# Altium PCB DL-5新款球锁 - 拼板-20201231.PcbDoc (part 6 of 9) (continued)
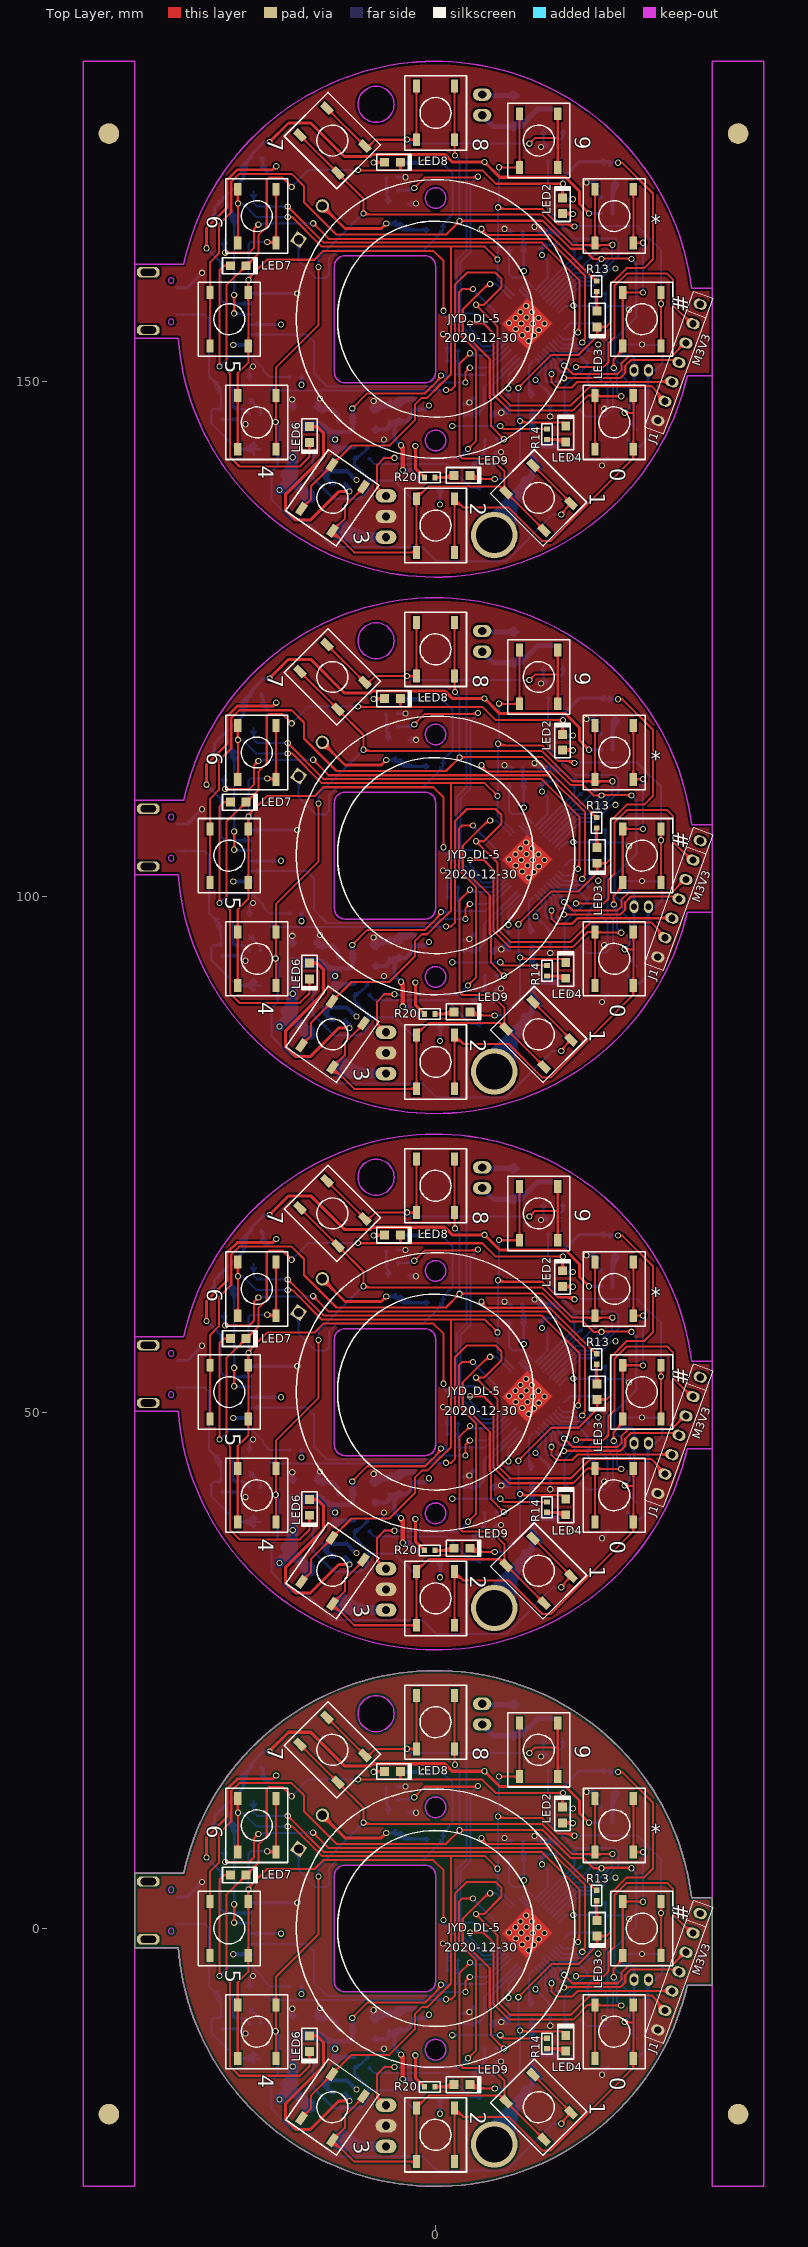
[diagram p0: Top Layer view]
## Nets (pads, with @x,y where several pads share a name; then routed paths per layer and width w, separated by ;. In a path a pad name is that pad's centre, name@x,y a point inside that pad or via, vN(x,y) a via of type N, cw(c..) or ccw(c..) an arc to the next point about the centre after c; other vN are vias at no path point) (continued)
NetLED3_1: LED3.1 R13.2 | length 12
  Top Layer w0.3: LED3.1@15.468,0.987 ccw(c15.11,1.345) 15.617,1.345 ; LED3.1@15.468,52.987 ccw(c15.11,53.345) 15.617,53.345 ; LED3.1@15.468,104.987 ccw(c15.11,105.345) 15.617,105.345 ; LED3.1@15.468,156.987 ccw(c15.11,157.345) 15.617,157.345 ; 15.617,1.59 ccw(c16.47,1.59) LED3.1@15.867,0.987 ; R13.2@15.617,2.692 15.617,0.838 LED3.1@15.667,0.787 ; 15.617,53.59 ccw(c16.47,53.59) LED3.1@15.867,52.987 ; R13.2@15.617,54.692 15.617,52.838 LED3.1@15.667,52.787 ; 15.617,105.59 ccw(c16.47,105.59) LED3.1@15.867,104.987 ; R13.2@15.617,106.692 15.617,104.838 LED3.1@15.667,104.787 ; 15.617,157.59 ccw(c16.47,157.59) LED3.1@15.867,156.987 ; R13.2@15.617,158.692 15.617,156.838 LED3.1@15.667,156.787
NetLED4_1: LED4.1 R14.2 | length 14.6
  Top Layer w0.3: R14.2@10.791,-11.659 12.391,-11.659 LED4.1@12.619,-11.887 ; R14.2@10.791,40.341 12.391,40.341 LED4.1@12.619,40.113 ; R14.2@10.791,92.341 12.391,92.341 LED4.1@12.619,92.113 ; R14.2@10.791,144.341 12.391,144.341 LED4.1@12.619,144.113 ; 11.387,-11.659 cw(c11.387,-13.119) LED4.1@12.42,-12.086 ; 11.387,40.341 cw(c11.387,38.881) LED4.1@12.42,39.914 ; 11.387,92.341 cw(c11.387,90.881) LED4.1@12.42,91.914 ; 11.387,144.341 cw(c11.387,142.881) LED4.1@12.42,143.914 ; 12.112,-11.659 cw(c12.112,-12.395) LED4.1@12.632,-11.874 ; 12.112,40.341 cw(c12.112,39.605) LED4.1@12.632,40.126 ; 12.112,92.341 cw(c12.112,91.605) LED4.1@12.632,92.126 ; 12.112,144.341 cw(c12.112,143.605) LED4.1@12.632,144.126
NetLED6_1: LED6.1 R15.2 | length 88.9
  Top Layer w0.3: LED6.1@-12.222,-10.414 -11.46,-10.414 -10.876,-10.998 -10.876,-13.335 -14.559,-17.018 -14.559,-18.491 -13.568,-19.482 -12.146,-19.482 -9.377,-16.713 v1(-8.336,-16.713) ; LED6.1@-12.222,41.586 -11.46,41.586 -10.876,41.002 -10.876,38.665 -14.559,34.982 -14.559,33.509 -13.568,32.518 -12.146,32.518 -9.377,35.287 v1(-8.336,35.287) ; LED6.1@-12.222,93.586 -11.46,93.586 -10.876,93.002 -10.876,90.665 -14.559,86.982 -14.559,85.509 -13.568,84.518 -12.146,84.518 -9.377,87.287 v1(-8.336,87.287) ; LED6.1@-12.222,145.586 -11.46,145.586 -10.876,145.002 -10.876,142.665 -14.559,138.982 -14.559,137.509 -13.568,136.518 -12.146,136.518 -9.377,139.287 v1(-8.336,139.287) ; LED6.1@-12.022,-10.613 cw(c-11.541,-11.094) -11.541,-10.414 cw(c-11.541,-9.734) LED6.1@-12.022,-10.215 ; LED6.1@-12.022,41.387 cw(c-11.541,40.906) -11.541,41.586 cw(c-11.541,42.266) LED6.1@-12.022,41.785 ; LED6.1@-12.022,93.387 cw(c-11.541,92.906) -11.541,93.586 cw(c-11.541,94.266) LED6.1@-12.022,93.785 ; LED6.1@-12.022,145.387 cw(c-11.541,144.906) -11.541,145.586 cw(c-11.541,146.266) LED6.1@-12.022,145.785 ; v1@-8.442,-16.819 ccw(c-8.698,-17.075) -8.698,-16.713 ccw(c-8.698,-16.351) v1@-8.442,-16.607 ; v1@-8.442,35.181 ccw(c-8.698,34.925) -8.698,35.287 ccw(c-8.698,35.649) v1@-8.442,35.393 ; v1@-8.442,87.181 ccw(c-8.698,86.925) -8.698,87.287 ccw(c-8.698,87.649) v1@-8.442,87.393 ; v1@-8.442,139.181 ccw(c-8.698,138.925) -8.698,139.287 ccw(c-8.698,139.649) v1@-8.442,139.393
  Bottom Layer w0.3: R15.2@-8.793,-16.03 cw(c-8.793,-16.342) R15.2@-8.572,-16.121 ; R15.2@-8.793,35.97 cw(c-8.793,35.658) R15.2@-8.572,35.879 ; R15.2@-8.793,87.97 cw(c-8.793,87.658) R15.2@-8.572,87.879 ; R15.2@-8.793,139.97 cw(c-8.793,139.658) R15.2@-8.572,139.879 ; v1@-8.485,-16.705 ccw(c-9.539,-16.646) R15.2@-8.793,-15.9 -8.31,-16.383 ; v1@-8.485,35.295 ccw(c-9.539,35.354) R15.2@-8.793,36.1 -8.31,35.617 ; v1@-8.485,87.295 ccw(c-9.539,87.354) R15.2@-8.793,88.1 -8.31,87.617 ; v1@-8.485,139.295 ccw(c-9.539,139.354) R15.2@-8.793,140.1 -8.31,139.617 ; -8.318,-16.375 cw(c-8.64,-16.696) v1@-8.186,-16.722 ; -8.318,35.625 cw(c-8.64,35.304) v1@-8.186,35.278 ; -8.318,87.625 cw(c-8.64,87.304) v1@-8.186,87.278 ; -8.318,139.625 cw(c-8.64,139.304) v1@-8.186,139.278
NetLED7_1: LED7.1 R16.2 | length 86.9
  Top Layer w0.2: v2@-21.071,-4.452 ccw(c-21.413,-4.11) -20.93,-4.11 ccw(c-20.447,-4.11) v2@-20.788,-4.452 ; v2@-21.071,47.548 ccw(c-21.413,47.89) -20.93,47.89 ccw(c-20.447,47.89) v2@-20.788,47.548 ; v2@-21.071,99.548 ccw(c-21.413,99.89) -20.93,99.89 ccw(c-20.447,99.89) v2@-20.788,99.548 ; v2@-21.071,151.548 ccw(c-21.413,151.89) -20.93,151.89 ccw(c-20.447,151.89) v2@-20.788,151.548 ; v2(-20.93,-4.593) -20.93,4.775 -20.523,5.182 ; v2(-20.93,47.407) -20.93,56.775 -20.523,57.182 ; v2(-20.93,99.407) -20.93,108.775 -20.523,109.182 ; v2(-20.93,151.407) -20.93,160.775 -20.523,161.182 ; LED7.1@-20.166,4.994 ccw(c-20.523,4.748) -20.523,5.182 ; LED7.1@-20.166,5.37 cw(c-20.523,5.615) -20.523,5.182 ; LED7.1@-20.166,56.994 ccw(c-20.523,56.748) -20.523,57.182 ; LED7.1@-20.166,57.37 cw(c-20.523,57.615) -20.523,57.182 ; LED7.1@-20.166,108.994 ccw(c-20.523,108.748) -20.523,109.182 ; LED7.1@-20.166,109.37 cw(c-20.523,109.615) -20.523,109.182 ; LED7.1@-20.166,160.994 ccw(c-20.523,160.748) -20.523,161.182 ; LED7.1@-20.166,161.37 cw(c-20.523,161.615) -20.523,161.182 ; LED7.1@-19.893,5.182 -20.523,5.182 ; LED7.1@-19.893,57.182 -20.523,57.182 ; LED7.1@-19.893,109.182 -20.523,109.182 ; LED7.1@-19.893,161.182 -20.523,161.182
  Bottom Layer w0.2: v2(-20.93,-4.593) -20.02,-3.683 -17.777,-3.683 -16.743,-4.717 -16.743,-4.928 -16.057,-5.613 R16.2@-14.025,-5.613 ; v2@-20.93,-4.393 ccw(c-20.93,-3.91) -20.588,-4.252 ccw(c-20.247,-4.593) v2@-20.73,-4.593 ; v2(-20.93,47.407) -20.02,48.317 -17.777,48.317 -16.743,47.283 -16.743,47.072 -16.057,46.387 R16.2@-14.025,46.387 ; v2@-20.93,47.607 ccw(c-20.93,48.09) -20.588,47.748 ccw(c-20.247,47.407) v2@-20.73,47.407 ; v2(-20.93,99.407) -20.02,100.317 -17.777,100.317 -16.743,99.283 -16.743,99.072 -16.057,98.387 R16.2@-14.025,98.387 ; v2@-20.93,99.607 ccw(c-20.93,100.09) -20.588,99.748 ccw(c-20.247,99.407) v2@-20.73,99.407 ; v2(-20.93,151.407) -20.02,152.317 -17.777,152.317 -16.743,151.283 -16.743,151.072 -16.057,150.387 R16.2@-14.025,150.387 ; v2@-20.93,151.607 ccw(c-20.93,152.09) -20.588,151.748 ccw(c-20.247,151.407) v2@-20.73,151.407 ; R16.2@-14.134,-5.722 ccw(c-14.397,-5.985) -14.397,-5.613 ccw(c-14.397,-5.242) R16.2@-14.134,-5.505 ; R16.2@-14.134,46.278 ccw(c-14.397,46.015) -14.397,46.387 ccw(c-14.397,46.758) R16.2@-14.134,46.495 ; R16.2@-14.134,98.278 ccw(c-14.397,98.015) -14.397,98.387 ccw(c-14.397,98.758) R16.2@-14.134,98.495 ; R16.2@-14.134,150.278 ccw(c-14.397,150.015) -14.397,150.387 ccw(c-14.397,150.758) R16.2@-14.134,150.495
NetLED8_1: LED8.1 R17.2 | length 18.2
  Top Layer w0.3: v1(-5.999,15.189) -5.973,15.215 LED8.1@-4.932,15.215 ; v1(-5.999,67.189) -5.973,67.215 LED8.1@-4.932,67.215 ; v1(-5.999,119.189) -5.973,119.215 LED8.1@-4.932,119.215 ; v1(-5.999,171.189) -5.973,171.215 LED8.1@-4.932,171.215 ; v1@-5.893,15.083 cw(c-5.575,14.766) -5.575,15.215 ; v1@-5.893,15.295 ccw(c-5.698,15.49) -5.698,15.215 ; v1@-5.893,67.083 cw(c-5.575,66.766) -5.575,67.215 ; v1@-5.893,67.295 ccw(c-5.698,67.49) -5.698,67.215 ; v1@-5.893,119.083 cw(c-5.575,118.766) -5.575,119.215 ; v1@-5.893,119.295 ccw(c-5.698,119.49) -5.698,119.215 ; v1@-5.893,171.083 cw(c-5.575,170.766) -5.575,171.215 ; v1@-5.893,171.295 ccw(c-5.698,171.49) -5.698,171.215 ; LED8.1@-5.131,15.015 ccw(c-5.612,14.534) -5.612,15.215 ccw(c-5.612,15.895) LED8.1@-5.131,15.414 ; LED8.1@-5.131,67.015 ccw(c-5.612,66.534) -5.612,67.215 ccw(c-5.612,67.895) LED8.1@-5.131,67.414 ; LED8.1@-5.131,119.015 ccw(c-5.612,118.534) -5.612,119.215 ccw(c-5.612,119.895) LED8.1@-5.131,119.414 ; LED8.1@-5.131,171.015 ccw(c-5.612,170.534) -5.612,171.215 ccw(c-5.612,171.895) LED8.1@-5.131,171.414
  Bottom Layer w0.3: v1(-5.999,15.189) -5.973,15.164 R17.2@-4.754,15.164 ; v1(-5.999,67.189) -5.973,67.164 R17.2@-4.754,67.164 ; v1(-5.999,119.189) -5.973,119.164 R17.2@-4.754,119.164 ; v1(-5.999,171.189) -5.973,171.164 R17.2@-4.754,171.164 ; v1@-5.893,15.083 cw(c-5.698,14.888) -5.698,15.164 ; v1@-5.893,15.295 ccw(c-5.575,15.613) -5.575,15.164 ; v1@-5.893,67.083 cw(c-5.698,66.888) -5.698,67.164 ; v1@-5.893,67.295 ccw(c-5.575,67.613) -5.575,67.164 ; v1@-5.893,119.083 cw(c-5.698,118.888) -5.698,119.164 ; v1@-5.893,119.295 ccw(c-5.575,119.613) -5.575,119.164 ; v1@-5.893,171.083 cw(c-5.698,170.888) -5.698,171.164 ; v1@-5.893,171.295 ccw(c-5.575,171.613) -5.575,171.164
NetLED9_1: LED9.1 R20.2 | length 14.7
  Top Layer w0.2: LED9.1@1.748,-14.935 LED9.1@1.85,-14.834 ; LED9.1@1.748,37.065 LED9.1@1.85,37.166 ; LED9.1@1.748,89.065 LED9.1@1.85,89.166 ; LED9.1@1.748,141.065 LED9.1@1.85,141.166
  Top Layer w0.3: R20.2@-0.055,-15.342 1.596,-15.342 LED9.1@1.799,-15.138 ; R20.2@-0.055,36.658 1.596,36.658 LED9.1@1.799,36.862 ; R20.2@-0.055,88.658 1.596,88.658 LED9.1@1.799,88.862 ; R20.2@-0.055,140.658 1.596,140.658 LED9.1@1.799,140.862 ; 0.628,-15.342 ccw(c0.628,-13.968) LED9.1@1.6,-14.939 ; 0.628,36.658 ccw(c0.628,38.032) LED9.1@1.6,37.061 ; 0.628,88.658 ccw(c0.628,90.032) LED9.1@1.6,89.061 ; 0.628,140.658 ccw(c0.628,142.032) LED9.1@1.6,141.061 ; 1.352,-15.342 ccw(c1.352,-14.692) LED9.1@1.812,-15.151 ; 1.352,36.658 ccw(c1.352,37.308) LED9.1@1.812,36.849 ; 1.352,88.658 ccw(c1.352,89.308) LED9.1@1.812,88.849 ; 1.352,140.658 ccw(c1.352,141.308) LED9.1@1.812,140.849
NetQ1_B: Q1.B R1.1 R7.1 | length 23.5
  Bottom Layer w0.2: R1.1@11.799,16.604 cw(c11.475,16.28) 11.934,16.28 ; R1.1@11.799,16.873 ccw(c11.537,17.136) 11.908,17.136 ccw(c12.28,17.136) R1.1@12.017,16.873 ; R1.1@11.799,68.604 cw(c11.475,68.28) 11.934,68.28 ; R1.1@11.799,68.873 ccw(c11.537,69.136) 11.908,69.136 ccw(c12.28,69.136) R1.1@12.017,68.873 ; R1.1@11.799,120.604 cw(c11.475,120.28) 11.934,120.28 ; R1.1@11.799,120.873 ccw(c11.537,121.136) 11.908,121.136 ccw(c12.28,121.136) R1.1@12.017,120.873 ; R1.1@11.799,172.604 cw(c11.475,172.28) 11.934,172.28 ; R1.1@11.799,172.873 ccw(c11.537,173.136) 11.908,173.136 ccw(c12.28,173.136) R1.1@12.017,172.873 ; R7.1@11.825,15.578 ccw(c11.562,15.84) 11.934,15.84 ccw(c12.305,15.84) R7.1@12.043,15.578 ; R7.1@11.825,67.578 ccw(c11.562,67.84) 11.934,67.84 ccw(c12.305,67.84) R7.1@12.043,67.578 ; R7.1@11.825,119.578 ccw(c11.562,119.84) 11.934,119.84 ccw(c12.305,119.84) R7.1@12.043,119.578 ; R7.1@11.825,171.578 ccw(c11.562,171.84) 11.934,171.84 ccw(c12.305,171.84) R7.1@12.043,171.578 ; R7.1@11.934,15.443 11.934,16.713 R1.1@11.908,16.739 11.908,17.196 12.35,17.638 ; 11.934,16.403 cw(c12.219,16.403) R1.1@12.017,16.604 ; R7.1@11.934,67.443 11.934,68.713 R1.1@11.908,68.739 11.908,69.196 12.35,69.638 ; 11.934,68.403 cw(c12.219,68.403) R1.1@12.017,68.604 ; R7.1@11.934,119.443 11.934,120.713 R1.1@11.908,120.739 11.908,121.196 12.35,121.638 ; 11.934,120.403 cw(c12.219,120.403) R1.1@12.017,120.604 ; R7.1@11.934,171.443 11.934,172.713 R1.1@11.908,172.739 11.908,173.196 12.35,173.638 ; 11.934,172.403 cw(c12.219,172.403) R1.1@12.017,172.604 ; Q1.B@12.14,18.091 cw(c11.757,17.638) 12.35,17.638 ; Q1.B@12.14,70.091 cw(c11.757,69.638) 12.35,69.638 ; Q1.B@12.14,122.091 cw(c11.757,121.638) 12.35,121.638 ; Q1.B@12.14,174.091 cw(c11.757,173.638) 12.35,173.638 ; Q1.B@12.35,18.339 12.35,17.638 ; Q1.B@12.35,70.339 12.35,69.638 ; Q1.B@12.35,122.339 12.35,121.638 ; Q1.B@12.35,174.339 12.35,173.638 ; Q1.B@12.56,18.091 ccw(c12.944,17.638) 12.35,17.638 ; Q1.B@12.56,70.091 ccw(c12.944,69.638) 12.35,69.638 ; Q1.B@12.56,122.091 ccw(c12.944,121.638) 12.35,121.638 ; Q1.B@12.56,174.091 ccw(c12.944,173.638) 12.35,173.638
NetQ2_G: Q2.G Q5.G R2.2 R3.1 | length 101.4
  Bottom Layer w0.254: Q5.G@-11.886,-12.928 cw(c-12.136,-13.167) -11.891,-13.411 ; Q5.G@-11.886,39.072 cw(c-12.136,38.833) -11.891,38.589 ; Q5.G@-11.886,91.072 cw(c-12.136,90.833) -11.891,90.589 ; Q5.G@-11.886,143.072 cw(c-12.136,142.833) -11.891,142.589 ; Q5.G@-11.758,-13.011 cw(c-11.813,-13.167) -11.648,-13.167 ; Q5.G@-11.758,38.989 cw(c-11.813,38.833) -11.648,38.833 ; Q5.G@-11.758,90.989 cw(c-11.813,90.833) -11.648,90.833 ; Q5.G@-11.758,142.989 cw(c-11.813,142.833) -11.648,142.833 ; -11.708,-13.228 ccw(c-11.948,-12.988) Q5.G@-11.703,-12.753 ; -11.708,38.772 ccw(c-11.948,39.012) Q5.G@-11.703,39.247 ; -11.708,90.772 ccw(c-11.948,91.012) Q5.G@-11.703,91.247 ; -11.708,142.772 ccw(c-11.948,143.012) Q5.G@-11.703,143.247 ; Q5.G@-11.648,-12.7 -11.648,-13.167 ; Q5.G@-11.648,39.3 -11.648,38.833 ; Q5.G@-11.648,91.3 -11.648,90.833 ; Q5.G@-11.648,143.3 -11.648,142.833 ; Q5.G@-11.537,-13.011 ccw(c-11.482,-13.167) -11.648,-13.167 ; Q5.G@-11.537,38.989 ccw(c-11.482,38.833) -11.648,38.833 ; Q5.G@-11.537,90.989 ccw(c-11.482,90.833) -11.648,90.833 ; Q5.G@-11.537,142.989 ccw(c-11.482,142.833) -11.648,142.833 ; R2.2@-7.943,-13.552 cw(c-8.16,-13.769) -7.853,-13.769 cw(c-7.546,-13.769) R2.2@-7.763,-13.552 ; R2.2@-7.943,38.448 cw(c-8.16,38.231) -7.853,38.231 cw(c-7.546,38.231) R2.2@-7.763,38.448 ; R2.2@-7.943,90.448 cw(c-8.16,90.231) -7.853,90.231 cw(c-7.546,90.231) R2.2@-7.763,90.448 ; R2.2@-7.943,142.448 cw(c-8.16,142.231) -7.853,142.231 cw(c-7.546,142.231) R2.2@-7.763,142.448 ; R2.2@-7.828,-13.589 ccw(c-7.828,-13.221) -7.567,-13.481 ; R2.2@-7.828,-13.335 ccw(c-7.828,-12.354) -7.134,-13.048 ; R2.2@-7.828,38.411 ccw(c-7.828,38.779) -7.567,38.519 ; R2.2@-7.828,38.665 ccw(c-7.828,39.646) -7.134,38.952 ; R2.2@-7.828,90.411 ccw(c-7.828,90.779) -7.567,90.519 ; R2.2@-7.828,90.665 ccw(c-7.828,91.646) -7.134,90.952 ; R2.2@-7.828,142.411 ccw(c-7.828,142.779) -7.567,142.519 ; R2.2@-7.828,142.665 ccw(c-7.828,143.646) -7.134,142.952 ; R2.2@-7.732,-13.546 cw(c-7.548,-13.706) -7.548,-13.462 ; R2.2@-7.732,-13.378 ccw(c-7.548,-13.218) -7.548,-13.462 ; R2.2@-7.732,38.454 cw(c-7.548,38.294) -7.548,38.538 ; R2.2@-7.732,38.622 ccw(c-7.548,38.782) -7.548,38.538 ; R2.2@-7.732,90.454 cw(c-7.548,90.294) -7.548,90.538 ; R2.2@-7.732,90.622 ccw(c-7.548,90.782) -7.548,90.538 ; R2.2@-7.732,142.455 cw(c-7.548,142.294) -7.548,142.538 ; R2.2@-7.732,142.622 ccw(c-7.548,142.782) -7.548,142.538 ; -6.767,-12.681 ccw(c-7.027,-12.421) R3.1@-6.659,-12.421 ; -6.767,39.319 ccw(c-7.027,39.579) R3.1@-6.659,39.579 ; -6.767,91.319 ccw(c-7.027,91.579) R3.1@-6.659,91.579 ; -6.767,143.319 ccw(c-7.027,143.579) R3.1@-6.659,143.579 ; R3.1@-6.706,-12.619 cw(c-6.532,-12.793) R3.1@-6.532,-12.548 ; R3.1@-6.706,39.381 cw(c-6.532,39.207) R3.1@-6.532,39.452 ; R3.1@-6.706,91.381 cw(c-6.532,91.207) R3.1@-6.532,91.452 ; R3.1@-6.706,143.381 cw(c-6.532,143.207) R3.1@-6.532,143.452 ; R3.1@-6.507,-12.421 -7.548,-13.462 ; R3.1@-6.507,39.579 -7.548,38.538 ; R3.1@-6.507,91.579 -7.548,90.538 ; R3.1@-6.507,143.579 -7.548,142.538 ; Q2.G@-1.84,-17.612 ccw(c-2.255,-17.935) -2.255,-17.409 ; Q2.G@-1.84,-17.206 cw(c-2.255,-16.883) -2.255,-17.409 ; Q2.G@-1.84,34.388 ccw(c-2.255,34.065) -2.255,34.591 ; Q2.G@-1.84,34.794 cw(c-2.255,35.117) -2.255,34.591 ; Q2.G@-1.84,86.388 ccw(c-2.255,86.065) -2.255,86.591 ; Q2.G@-1.84,86.794 cw(c-2.255,87.117) -2.255,86.591 ; Q2.G@-1.84,138.388 ccw(c-2.255,138.065) -2.255,138.591 ; Q2.G@-1.84,138.794 cw(c-2.255,139.117) -2.255,138.591 ; Q2.G@-1.579,-17.409 -2.255,-17.409 ; Q2.G@-1.579,34.591 -2.255,34.591 ; Q2.G@-1.579,86.591 -2.255,86.591 ; Q2.G@-1.579,138.591 -2.255,138.591 ; -11.892,-13.411 -11.892,-15.392 -9.885,-17.399 -7.269,-17.399 -6.583,-16.713 -6.583,-15.672 ; -11.892,-13.411 -11.648,-13.167 ; -11.892,38.589 -11.892,36.608 -9.885,34.601 -7.269,34.601 -6.583,35.287 -6.583,36.328 ; -11.892,38.589 -11.648,38.833 ; -11.892,90.589 -11.892,88.608 -9.885,86.601 -7.269,86.601 -6.583,87.287 -6.583,88.328 ; -11.892,90.589 -11.648,90.833 ; -11.892,142.589 -11.892,140.608 -9.885,138.601 -7.269,138.601 -6.583,139.287 -6.583,140.328 ; -11.892,142.589 -11.648,142.833 ; -7.548,-13.462 R2.2@-7.853,-13.462 -7.853,-14.072 -6.583,-15.342 -6.583,-15.672 ; -7.548,38.538 R2.2@-7.853,38.538 -7.853,37.928 -6.583,36.658 -6.583,36.328 ; -7.548,90.538 R2.2@-7.853,90.538 -7.853,89.928 -6.583,88.658 -6.583,88.328 ; -7.548,142.538 R2.2@-7.853,142.538 -7.853,141.928 -6.583,140.658 -6.583,140.328 ; -6.583,-15.672 -3.992,-15.672 -2.255,-17.409 ; -6.583,36.328 -3.992,36.328 -2.255,34.591 ; -6.583,88.328 -3.992,88.328 -2.255,86.591 ; -6.583,140.328 -3.992,140.328 -2.255,138.591
NetQ6_B: Q6.B RW3.1 | length 15.1
  Bottom Layer w0.2: Q6.B@-18.038,-8.082 cw(c-18.038,-8.867) -17.484,-8.312 cw(c-16.929,-7.757) Q6.B@-17.713,-7.757 ; Q6.B@-18.038,-7.757 -16.972,-8.824 RW3.1@-16.972,-9.271 ; Q6.B@-18.038,43.918 cw(c-18.038,43.133) -17.484,43.688 cw(c-16.929,44.243) Q6.B@-17.713,44.243 ; Q6.B@-18.038,44.243 -16.972,43.176 RW3.1@-16.972,42.729 ; Q6.B@-18.038,95.918 cw(c-18.038,95.133) -17.484,95.688 cw(c-16.929,96.243) Q6.B@-17.713,96.243 ; Q6.B@-18.038,96.243 -16.972,95.176 RW3.1@-16.972,94.729 ; Q6.B@-18.038,147.918 cw(c-18.038,147.133) -17.484,147.688 cw(c-16.929,148.243) Q6.B@-17.713,148.243 ; Q6.B@-18.038,148.243 -16.972,147.176 RW3.1@-16.972,146.729 ; RW3.1@-17.08,-9.137 ccw(c-17.343,-8.874) -16.972,-8.874 ccw(c-16.6,-8.874) RW3.1@-16.863,-9.137 ; RW3.1@-17.08,42.863 ccw(c-17.343,43.126) -16.972,43.126 ccw(c-16.6,43.126) RW3.1@-16.863,42.863 ; RW3.1@-17.08,94.863 ccw(c-17.343,95.126) -16.972,95.126 ccw(c-16.6,95.126) RW3.1@-16.863,94.863 ; RW3.1@-17.08,146.863 ccw(c-17.343,147.126) -16.972,147.126 ccw(c-16.6,147.126) RW3.1@-16.863,146.863
NetQ7_B: Q7.B R6.1 R26.1 | length 26.3
  Bottom Layer w0.203: Q7.B@3.592,-14.224 3.592,-14.081 R26.1@4.768,-12.905 4.771,-12.902 R6.1@4.771,-11.608 ; Q7.B@3.592,-13.901 ccw(c3.592,-13.465) 3.9,-13.773 ; Q7.B@3.592,37.776 3.592,37.919 R26.1@4.768,39.095 4.771,39.098 R6.1@4.771,40.392 ; Q7.B@3.592,38.099 ccw(c3.592,38.535) 3.9,38.227 ; Q7.B@3.592,89.776 3.592,89.919 R26.1@4.768,91.095 4.771,91.098 R6.1@4.771,92.392 ; Q7.B@3.592,90.099 ccw(c3.592,90.535) 3.9,90.227 ; Q7.B@3.592,141.776 3.592,141.919 R26.1@4.768,143.095 4.771,143.098 R6.1@4.771,144.392 ; Q7.B@3.592,142.099 ccw(c3.592,142.535) 3.9,142.227 ; Q7.B@3.712,-14.224 cw(c4.348,-14.224) 3.899,-13.774 ; Q7.B@3.712,37.776 cw(c4.348,37.776) 3.899,38.226 ; Q7.B@3.712,89.776 cw(c4.348,89.776) 3.899,90.226 ; Q7.B@3.712,141.776 cw(c4.348,141.776) 3.899,142.226 ; Q7.B@3.916,-14.224 cw(c5.042,-14.224) 4.246,-13.428 ; Q7.B@3.916,37.776 cw(c5.042,37.776) 4.246,38.572 ; Q7.B@3.916,89.776 cw(c5.042,89.776) 4.246,90.572 ; Q7.B@3.916,141.776 cw(c5.042,141.776) 4.246,142.572 ; 4.465,-13.208 cw(c4.768,-13.512) R26.1@4.768,-13.083 ; 4.465,38.792 cw(c4.768,38.488) R26.1@4.768,38.917 ; 4.465,90.792 cw(c4.768,90.488) R26.1@4.768,90.917 ; 4.465,142.792 cw(c4.768,142.488) R26.1@4.768,142.917 ; R26.1@4.526,-13.147 ccw(c4.309,-12.93) R26.1@4.616,-12.93 ; R26.1@4.526,38.853 ccw(c4.309,39.07) R26.1@4.616,39.07 ; R26.1@4.526,90.853 ccw(c4.309,91.07) R26.1@4.616,91.07 ; R26.1@4.526,142.853 ccw(c4.309,143.07) R26.1@4.616,143.07 ; R26.1@4.661,-12.772 ccw(c4.394,-12.505) 4.771,-12.505 ; R26.1@4.661,39.228 ccw(c4.394,39.495) 4.771,39.495 ; R26.1@4.661,91.228 ccw(c4.394,91.495) 4.771,91.495 ; R26.1@4.661,143.228 ccw(c4.394,143.495) 4.771,143.495 ; R6.1@4.663,-11.741 cw(c4.403,-12.001) 4.771,-12.001 cw(c5.139,-12.001) R6.1@4.879,-11.741 ; R6.1@4.663,40.259 cw(c4.403,39.999) 4.771,39.999 cw(c5.139,39.999) R6.1@4.879,40.259 ; R6.1@4.663,92.259 cw(c4.403,91.999) 4.771,91.999 cw(c5.139,91.999) R6.1@4.879,92.259 ; R6.1@4.663,144.259 cw(c4.403,143.999) 4.771,143.999 cw(c5.139,143.999) R6.1@4.879,144.259 ; 4.771,-12.518 ccw(c5.13,-12.518) R26.1@4.876,-12.772 ; 4.771,39.482 ccw(c5.13,39.482) R26.1@4.876,39.228 ; 4.771,91.482 ccw(c5.13,91.482) R26.1@4.876,91.228 ; 4.771,143.482 ccw(c5.13,143.482) R26.1@4.876,143.228
NetQ7_C: Q7.C R3.2 | length 56.3
  Bottom Layer w0.2: R3.2@-6.507,-13.437 -5.927,-14.017 1.084,-14.017 3.374,-16.307 4.491,-16.307 Q7.C@4.542,-16.256 ; R3.2@-6.507,38.563 -5.927,37.983 1.084,37.983 3.374,35.693 4.491,35.693 Q7.C@4.542,35.744 ; R3.2@-6.507,90.563 -5.927,89.983 1.084,89.983 3.374,87.693 4.491,87.693 Q7.C@4.542,87.744 ; R3.2@-6.507,142.563 -5.927,141.983 1.084,141.983 3.374,139.693 4.491,139.693 Q7.C@4.542,139.744 ; R3.2@-6.481,-13.591 cw(c-6.481,-13.901) R3.2@-6.262,-13.682 ; R3.2@-6.481,38.409 cw(c-6.481,38.099) R3.2@-6.262,38.318 ; R3.2@-6.481,90.409 cw(c-6.481,90.099) R3.2@-6.262,90.318 ; R3.2@-6.481,142.409 cw(c-6.481,142.099) R3.2@-6.262,142.318 ; R3.2@-6.327,-13.437 ccw(c-5.894,-13.437) -6.2,-13.743 ; R3.2@-6.327,38.563 ccw(c-5.894,38.563) -6.2,38.257 ; R3.2@-6.327,90.563 ccw(c-5.894,90.563) -6.2,90.257 ; R3.2@-6.327,142.563 ccw(c-5.894,142.563) -6.2,142.257 ; 3.699,-16.307 cw(c3.699,-17.174) Q7.C@4.312,-16.561 ; 3.699,35.693 cw(c3.699,34.826) Q7.C@4.312,35.439 ; 3.699,87.693 cw(c3.699,86.826) Q7.C@4.312,87.439 ; 3.699,139.693 cw(c3.699,138.826) Q7.C@4.312,139.439 ; 3.816,-16.307 ccw(c3.816,-15.605) Q7.C@4.312,-16.101 ; 3.816,35.693 ccw(c3.816,36.395) Q7.C@4.312,35.899 ; 3.816,87.693 ccw(c3.816,88.395) Q7.C@4.312,87.899 ; 3.816,139.693 ccw(c3.816,140.395) Q7.C@4.312,139.899
NetR4_1: R4.1 R11.1 T1.1 | length 18.1
  Bottom Layer w0.254: R11.1@-4.869,13.652 cw(c-5.086,13.435) -4.78,13.435 cw(c-4.473,13.435) R11.1@-4.69,13.652 ; R11.1@-4.869,65.652 cw(c-5.086,65.435) -4.78,65.435 cw(c-4.473,65.435) R11.1@-4.69,65.652 ; R11.1@-4.869,117.652 cw(c-5.086,117.435) -4.78,117.435 cw(c-4.473,117.435) R11.1@-4.69,117.652 ; R11.1@-4.869,169.652 cw(c-5.086,169.435) -4.78,169.435 cw(c-4.473,169.435) R11.1@-4.69,169.652 ; -4.78,12.103 cw(c-4.386,12.103) R4.1@-4.664,12.382 ; -4.78,12.89 ccw(c-4.386,12.89) R4.1@-4.664,12.612 ; R11.1@-4.78,13.767 -4.78,12.497 -4.78,12.04 -4.587,11.847 ; -4.78,64.103 cw(c-4.386,64.103) R4.1@-4.664,64.382 ; -4.78,64.89 ccw(c-4.386,64.89) R4.1@-4.664,64.612 ; R11.1@-4.78,65.767 -4.78,64.497 -4.78,64.04 -4.587,63.847 ; -4.78,116.103 cw(c-4.386,116.103) R4.1@-4.664,116.382 ; -4.78,116.89 ccw(c-4.386,116.89) R4.1@-4.664,116.612 ; R11.1@-4.78,117.767 -4.78,116.497 -4.78,116.04 -4.587,115.847 ; -4.78,168.103 cw(c-4.386,168.103) R4.1@-4.664,168.382 ; -4.78,168.89 ccw(c-4.386,168.89) R4.1@-4.664,168.612 ; R11.1@-4.78,169.767 -4.78,168.497 -4.78,168.04 -4.587,167.847 ; T1.1@-4.771,11.501 ccw(c-5.003,11.847) -4.587,11.847 ; T1.1@-4.771,63.501 ccw(c-5.003,63.847) -4.587,63.847 ; T1.1@-4.771,115.501 ccw(c-5.003,115.847) -4.587,115.847 ; T1.1@-4.771,167.501 ccw(c-5.003,167.847) -4.587,167.847 ; T1.1@-4.587,11.227 -4.587,11.847 ; T1.1@-4.587,63.227 -4.587,63.847 ; T1.1@-4.587,115.227 -4.587,115.847 ; T1.1@-4.587,167.227 -4.587,167.847 ; T1.1@-4.402,11.501 cw(c-4.17,11.847) -4.587,11.847 ; T1.1@-4.402,63.501 cw(c-4.17,63.847) -4.587,63.847 ; T1.1@-4.402,115.501 cw(c-4.17,115.847) -4.587,115.847 ; T1.1@-4.402,167.501 cw(c-4.17,167.847) -4.587,167.847
NetR53_2: R53.2 R54.2 T2.1 | length 20.6
  Bottom Layer w0.4: R53.2@17.166,10.262 R54.2@17.166,11.684 17.166,12.893 T2.1@17.506,13.233 ; R54.2@17.166,11.791 cw(c18.949,11.791) T2.1@17.688,13.052 ; 17.166,12.756 cw(c17.984,12.756) T2.1@17.406,13.334 ; R53.2@17.166,62.262 R54.2@17.166,63.684 17.166,64.893 T2.1@17.506,65.233 ; R54.2@17.166,63.791 cw(c18.949,63.791) T2.1@17.688,65.052 ; 17.166,64.756 cw(c17.984,64.756) T2.1@17.406,65.334 ; R53.2@17.166,114.262 R54.2@17.166,115.684 17.166,116.893 T2.1@17.506,117.233 ; R54.2@17.166,115.791 cw(c18.949,115.791) T2.1@17.688,117.052 ; 17.166,116.756 cw(c17.984,116.756) T2.1@17.406,117.334 ; R53.2@17.166,166.262 R54.2@17.166,167.684 17.166,168.893 T2.1@17.506,169.233 ; R54.2@17.166,167.791 cw(c18.949,167.791) T2.1@17.688,169.052 ; 17.166,168.756 cw(c17.984,168.756) T2.1@17.406,169.334
NetU1_2: U1.2 X1.1 | length 23.5
  Bottom Layer w0.2: X1.1@5.233,-7.144 ccw(c4.72,-6.632) 5.445,-6.632 ccw(c6.169,-6.632) X1.1@5.657,-7.144 ; X1.1@5.233,44.856 ccw(c4.72,45.368) 5.445,45.368 ccw(c6.169,45.368) X1.1@5.657,44.856 ; X1.1@5.233,96.856 ccw(c4.72,97.368) 5.445,97.368 ccw(c6.169,97.368) X1.1@5.657,96.856 ; X1.1@5.233,148.856 ccw(c4.72,149.368) 5.445,149.368 ccw(c6.169,149.368) X1.1@5.657,148.856 ; X1.1@5.445,-7.407 5.445,-6.469 U1.2@8.133,-3.781 ; X1.1@5.445,44.593 5.445,45.531 U1.2@8.133,48.219 ; X1.1@5.445,96.593 5.445,97.531 U1.2@8.133,100.219 ; X1.1@5.445,148.593 5.445,149.531 U1.2@8.133,152.219